# Altium PCB BGA_faser_v2.PcbDoc (part 1 of 5) (continued)
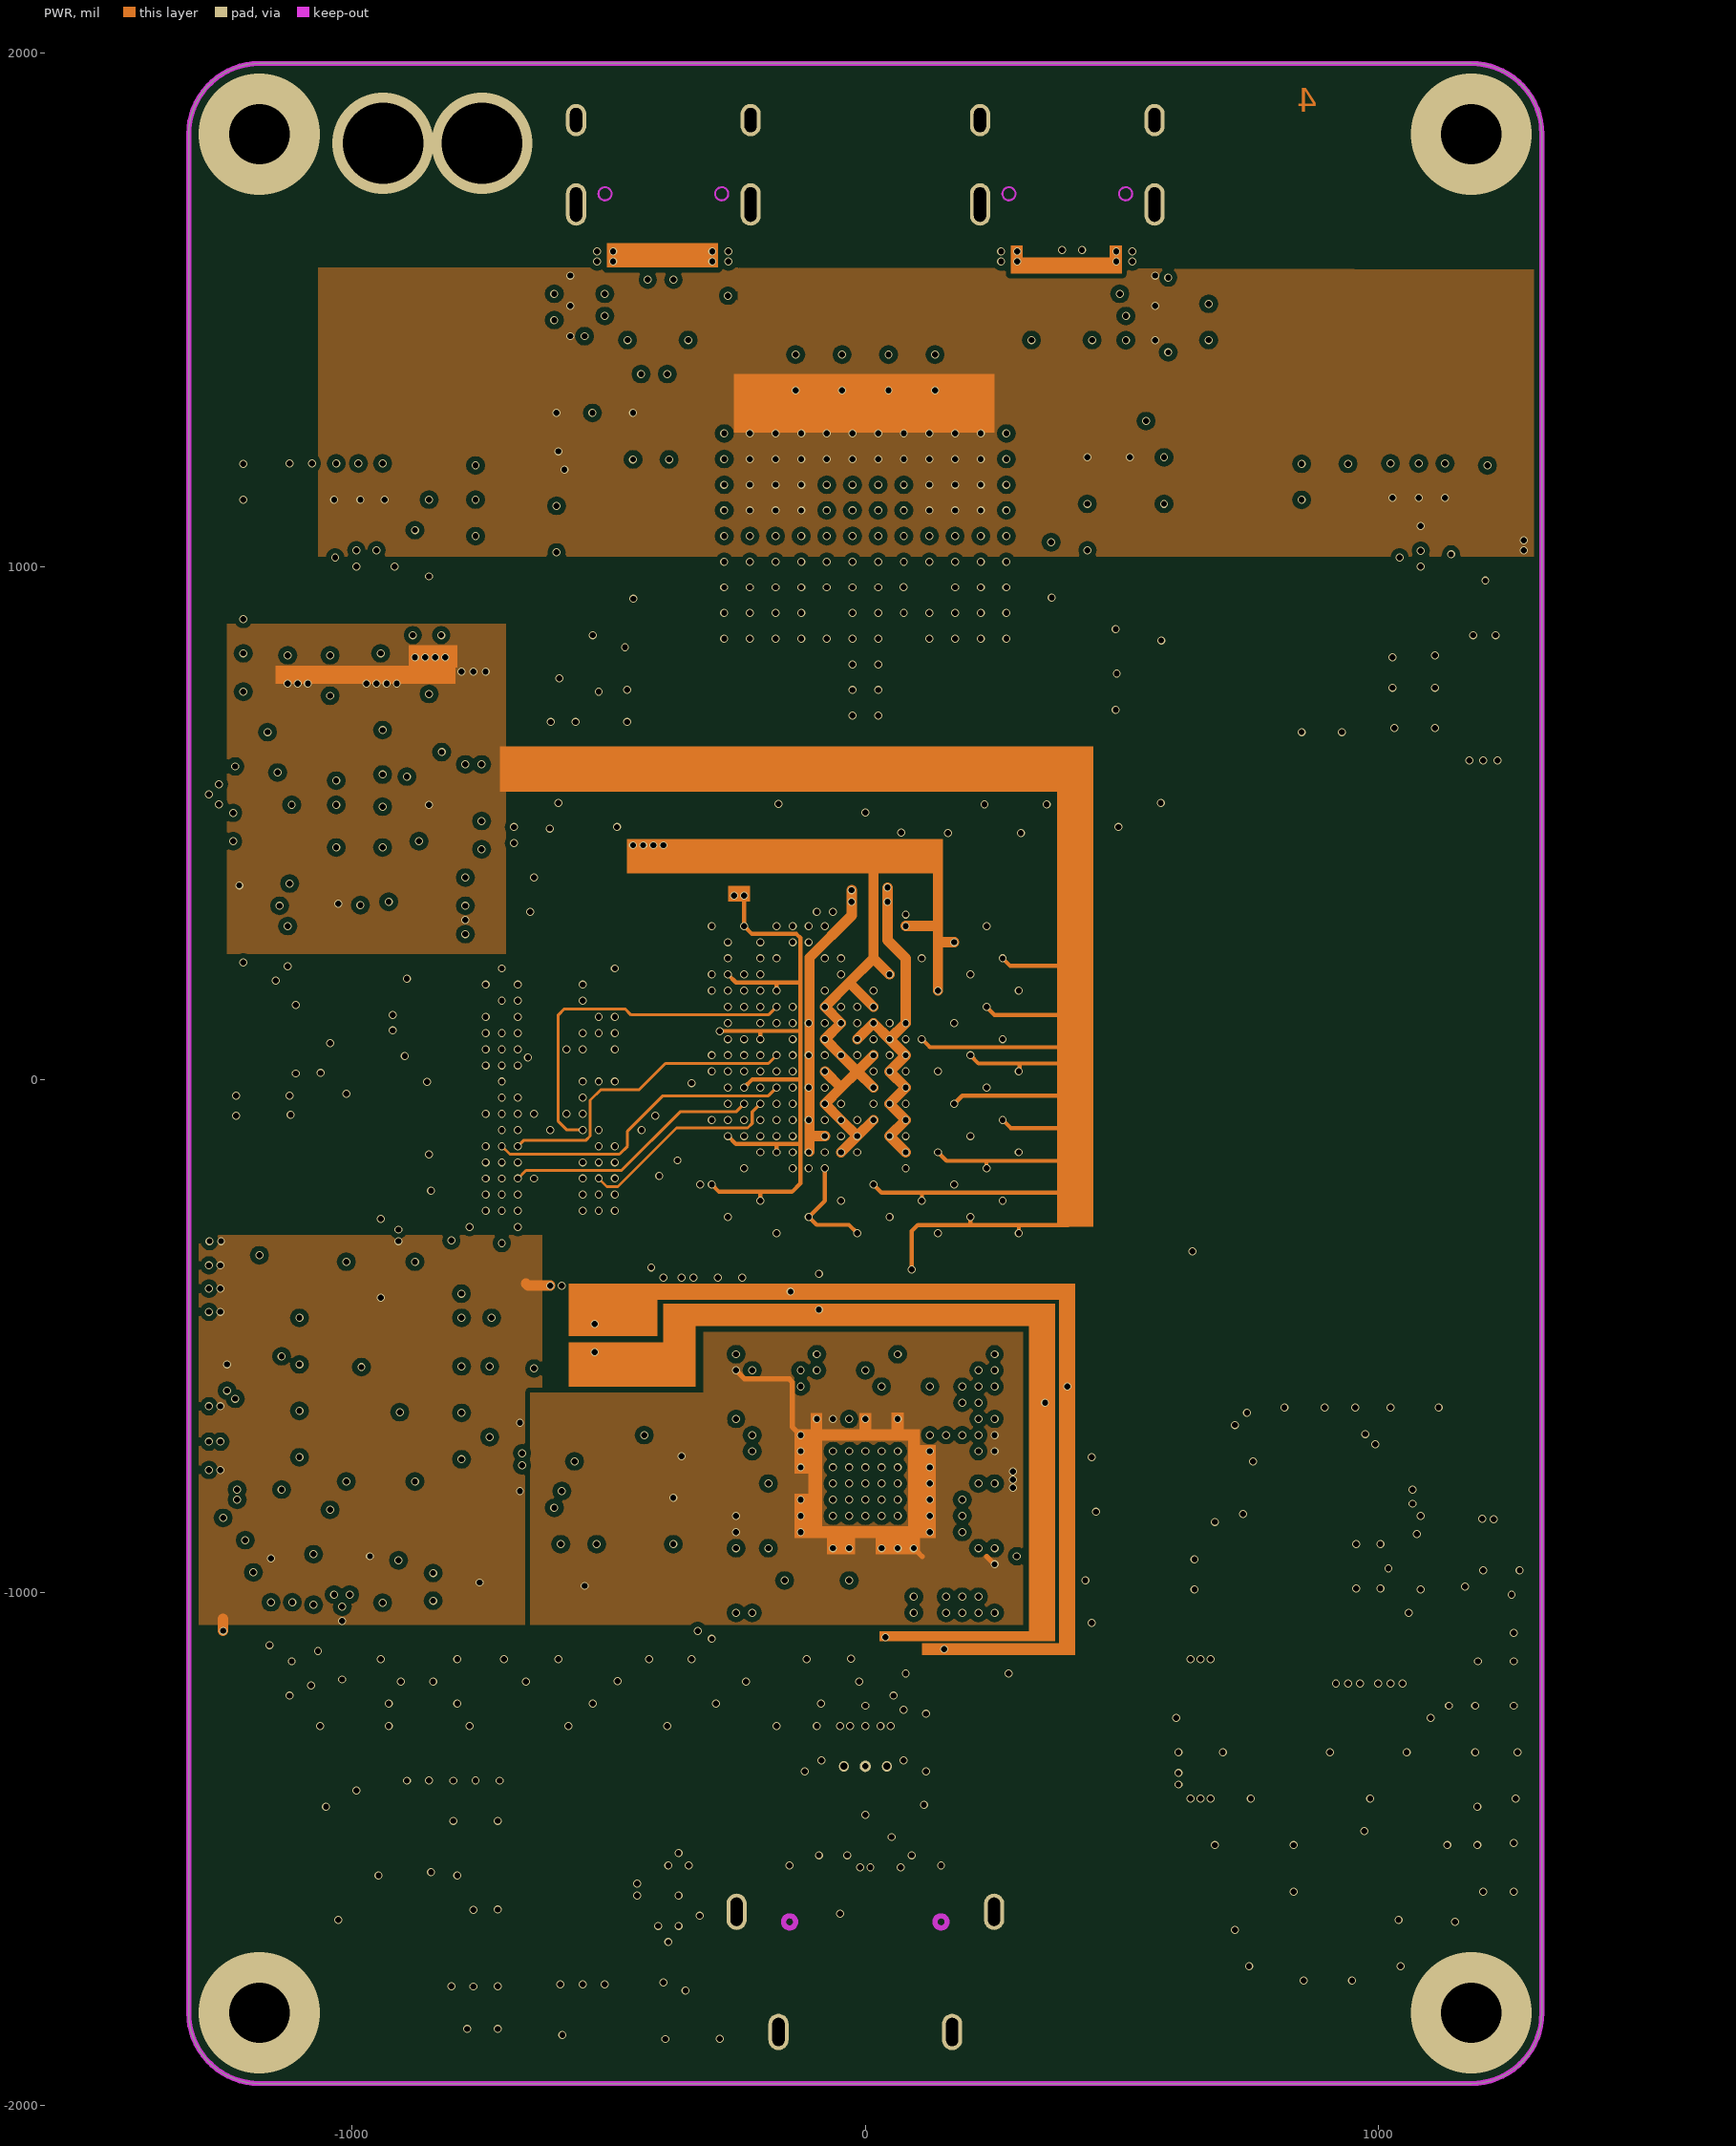
[diagram p4: PWR]
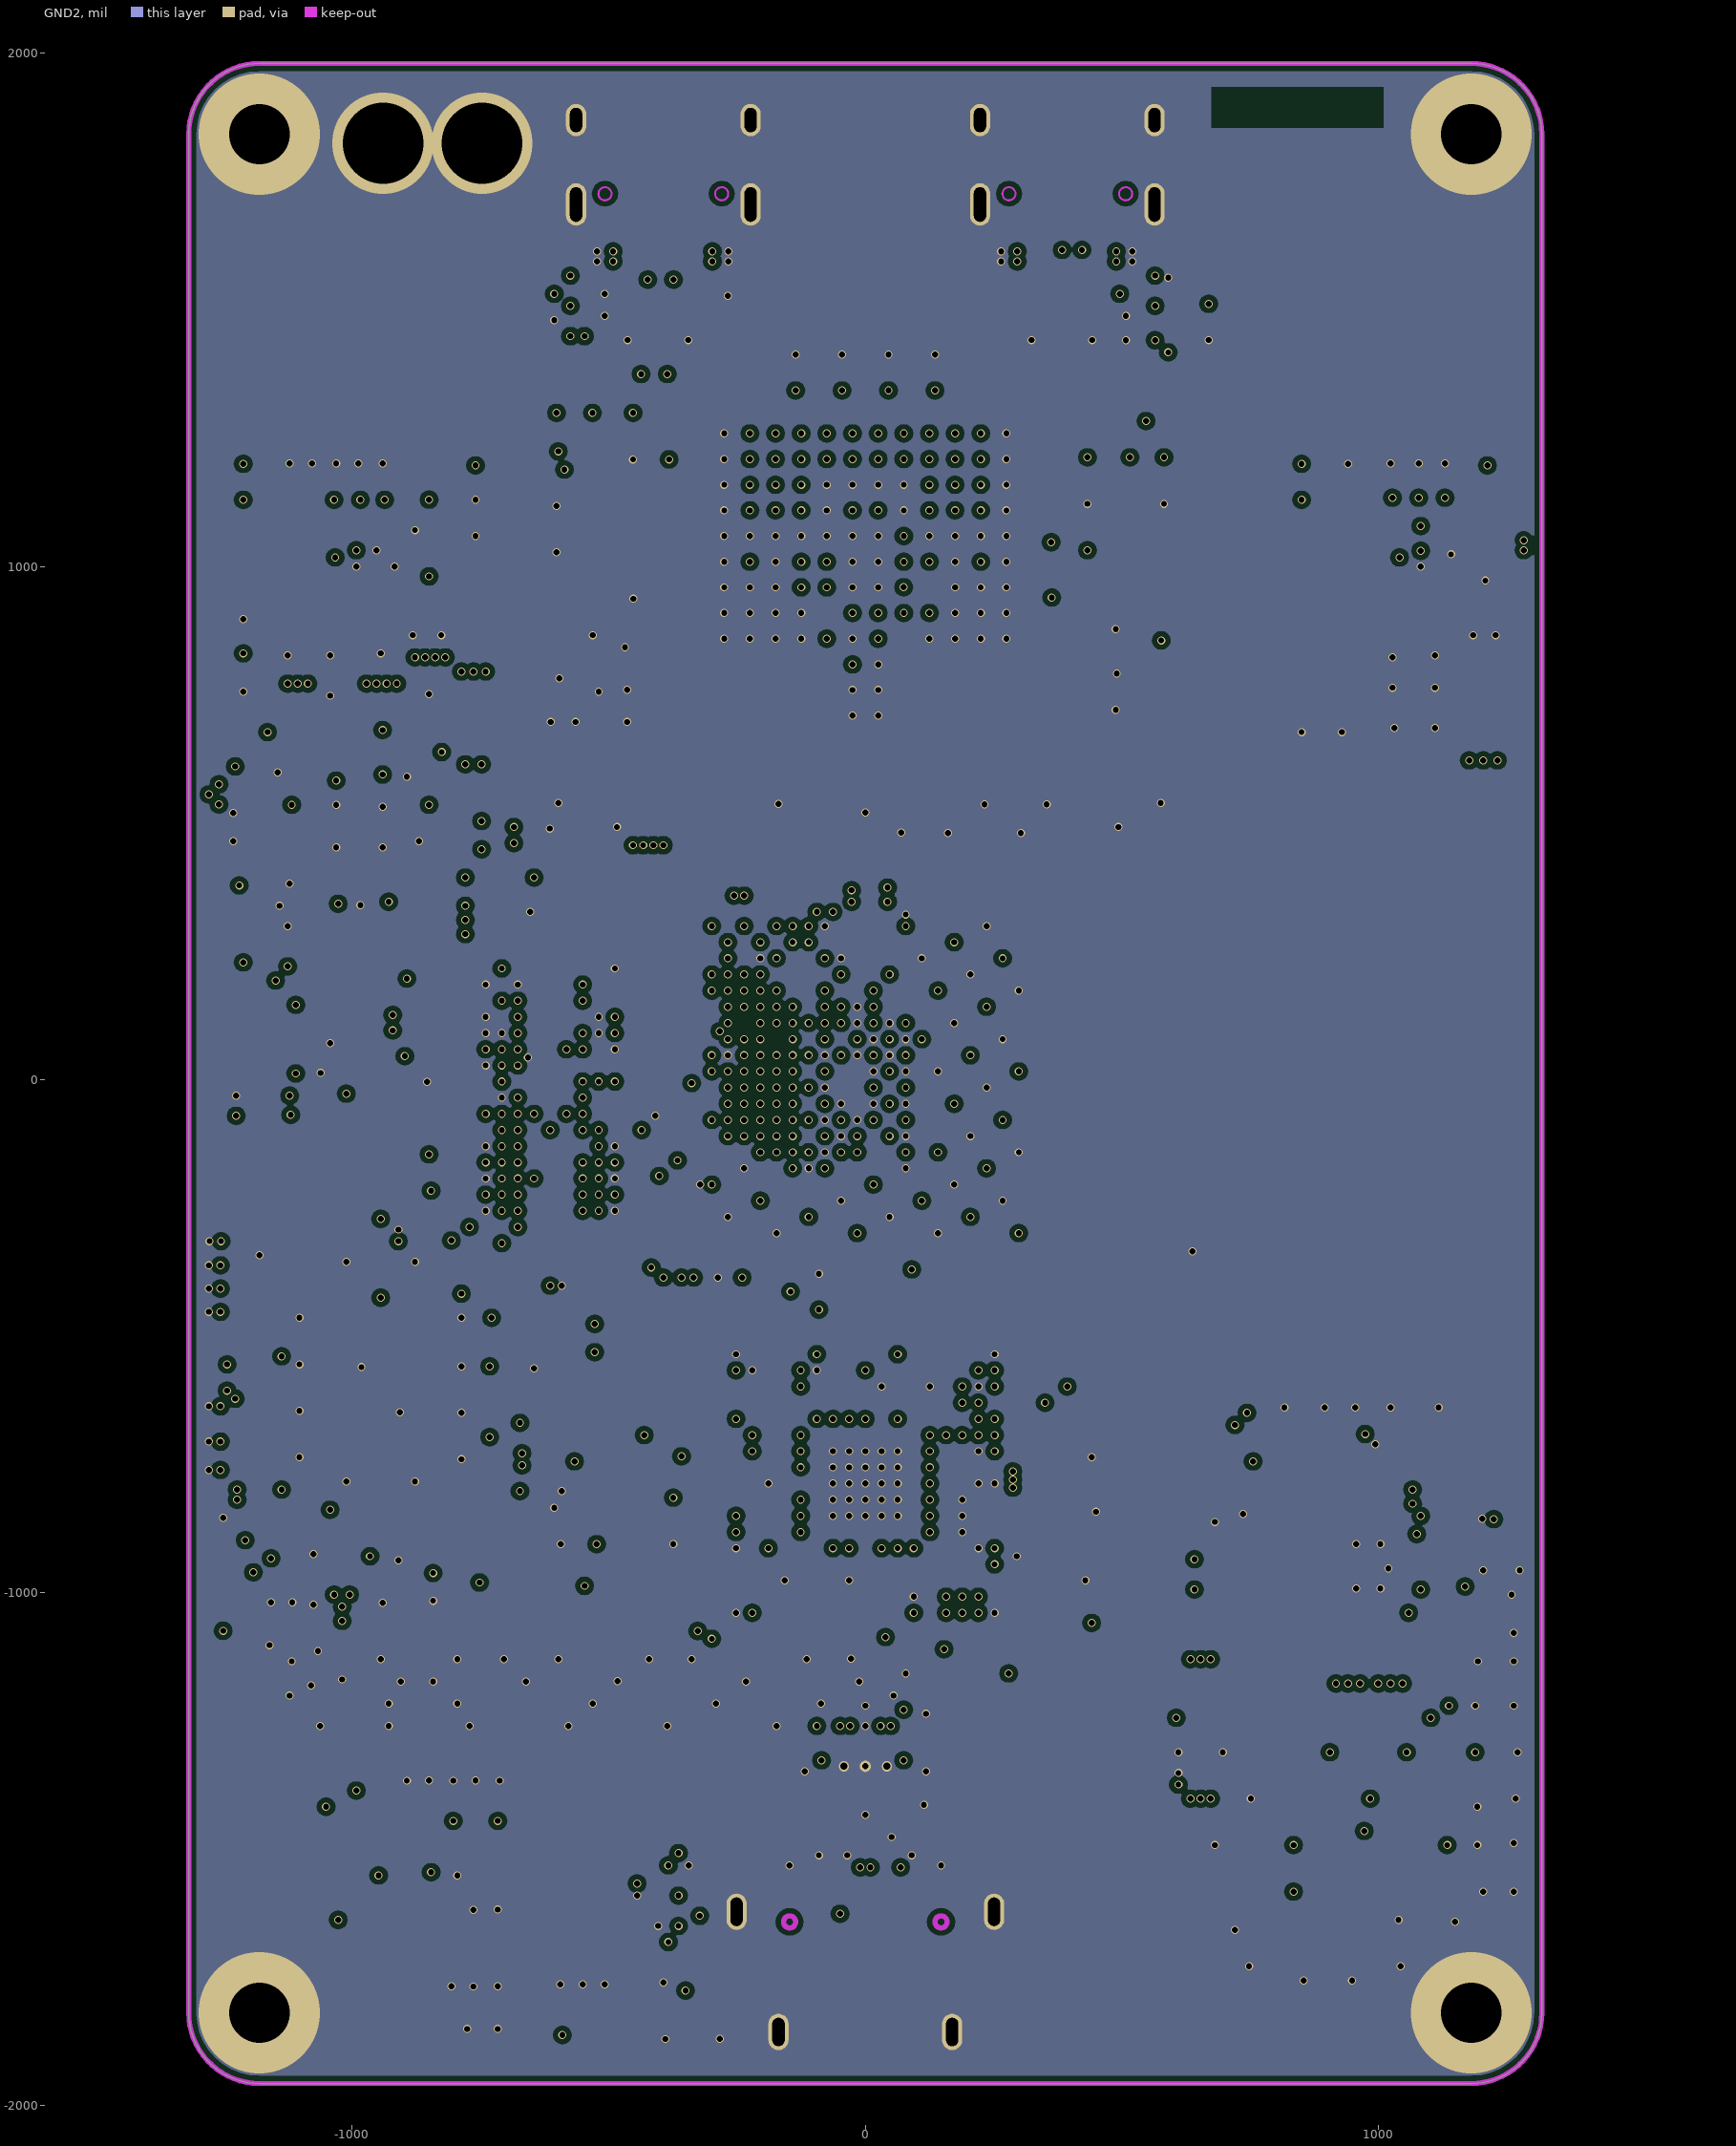
[diagram p5: GND2]
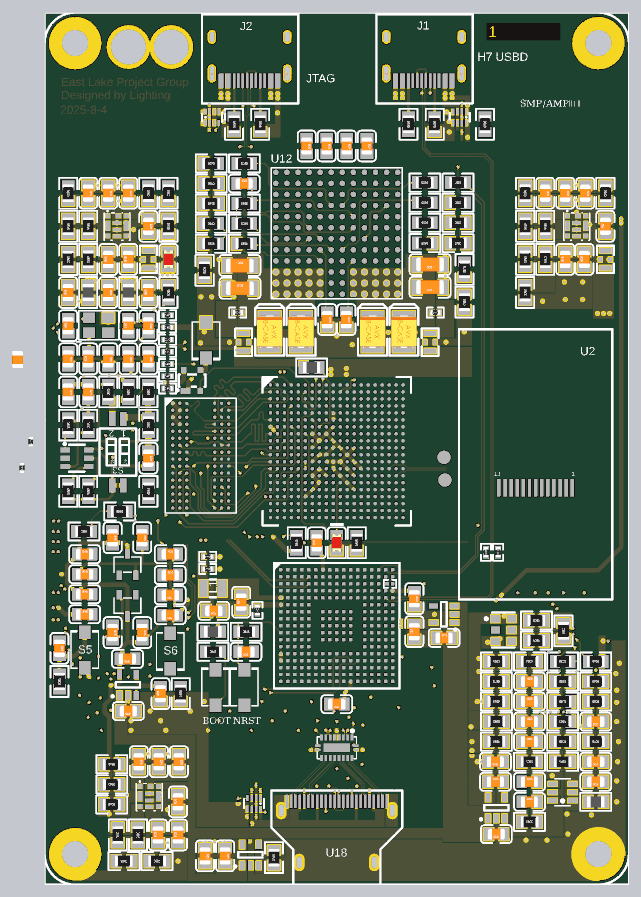
[diagram p10: 3D render of the assembled board from above, using the file's embedded part models]

## Layer stack, top to bottom
Top Solder: solder mask 0.4, Solder Resist, Dk 3.5
Top Layer: signal copper 1.4
Dielectric 2: prepreg 2.8, PP-006, Dk 4.1
GND1: signal copper 1.378
Dielectric 4: prepreg 2.8, PP-006, Dk 4.1
Layer 3: signal copper 1.378
Dielectric 1: dielectric 12.6, FR-4, Dk 4.8
PWR: signal copper 1.378
Dielectric 5: prepreg 2.8, PP-006, Dk 4.1
GND2: signal copper 1.378
Dielectric 3: prepreg 2.8, PP-006, Dk 4.1
Bottom Layer: signal copper 1.4
Bottom Solder: solder mask 0.4, Solder Resist, Dk 3.5

## Board outline
-1318.9,-1818.9 -1318.9,1842.52 cw(c-1181.1,1842.52) -1181.1,1980.31 1181.1,1980.31 cw(c1181.1,1842.52) 1318.9,1842.52 1318.9,-1818.9 cw(c1181.1,-1818.9) 1181.1,-1956.69 -1181.1,-1956.69 cw(c-1181.1,-1818.9)

## Design rules (kind name [scope] priority, off if disabled: settings)
Clearance PolygonClearance_10mil [InPolygon] p1: gap=10 ignorepadtopadclearanceinfootprint=FALSE
Clearance [All] p2: gap=3.5 ignorepadtopadclearanceinfootprint=FALSE
DiffPairsRouting [All] p1: maxlimit=10 minlimit=3.5 mostfreqgap=6 toplayer_minwidth=3.5 toplayer_maxwidth=100 toplayer_prefwidth=4.29 midlayer1_minwidth=3.5 midlayer1_maxwidth=100 midlayer1_prefwidth=4.29 midlayer2_minwidth=3.5 midlayer2_maxwidth=100 midlayer2_prefwidth=4.29 midlayer3_minwidth=3.5 midlayer3_maxwidth=100 midlayer3_prefwidth=4.29 midlayer4_minwidth=3.5 midlayer4_maxwidth=100 midlayer4_prefwidth=4.29 bottomlayer_minwidth=3.5 bottomlayer_maxwidth=100 bottomlayer_prefwidth=4.29 maxuncoupledlength=500
PlaneConnect [All] p1: planeconnectstyle=Direct reliefexpansion=20 reliefentries=4 reliefconductorwidth=10 reliefairgap=10
PolygonConnect [All] p1: connectstyle=Direct reliefconductorwidth=10 reliefentries=4 polygonreliefangle="90 Angle" airgapwidth=10
RoutingVias [All] p1: holewidth=11.81 width=17.72 viastyle="Through Hole" minholewidth=11.81 minwidth=15.75 maxholewidth=3937.01 maxwidth=3937.01
SilkToSilkClearance [All] p1 off: silktosilkclearance=10
SilkToSolderMaskClearance [IsPad] p1 off: minsilkscreentomaskgap=10 clearancetoexposedcopper=TRUE
SolderMaskExpansion [All] p1 off: expansion=4
Width 中间层POWER [InNetClass('POWER') And OnLayer('PWR')] p1: maxlimit=1000 minlimit=6 preferedwidth=0.0001m
Width 表层POWER [InNetClass('POWER') And OnLayer('Top Layer')] p2: maxlimit=1000 minlimit=3.5 preferedwidth=0.0001mi
Width 顶层五十欧姆单端 [OnLayer('Top Layer')] p3: maxlimit=1000 minlimit=3.5 preferedwidth=0.
Width 底层五十欧姆单端 [OnLayer('Bottom Layer')] p4: maxlimit=1000 minlimit=3.5 preferedwidth=0.
Width 第三层五十欧姆 [OnLayer('Layer 3')] p5: maxlimit=100 minlimit=3.5
Width 电源层五十欧姆单端补充 [OnLayer('PWR')] p6: maxlimit=100 minlimit=3.5
26 further rules are at their usual default settings.

## Classes and differential pairs
component class Risc_V: C153 C154 C155 C156 C157 C158 C159 C160 C161 C162 C163 C164 C165 C166 C167 C168 C169 C170 C171 C172 C173 C174 C175 C176 C177 C178 C179 C180 C181 C182 C183 C184 C185 C186 C187 C188 C189 C190 R109 R110 R111 R112 R113 S5 S6 TP16 TP17 U18 U19 U20 U21 U22 U23 VR1 VR2
component class AD9156: C129 C130 C131 C132 C133 C134 C135 C136 C137 C138 C139 C140 C141 C142 C143 C144 C145 C146 C147 C148 C149 C150 C151 C152 L6 R88 R89 R90 R91 R92 R93 R94 R95 R96 R97 R98 R99 R100 R101 R102 R103 R104 R105 R106 R107 R108 U16 U17 VCO1 X2
net class DDR_ADDR: DDR_A0 DDR_A1 DDR_A2 DDR_A3 DDR_A4 DDR_A5 DDR_A6 DDR_A7 DDR_A8 DDR_A9 DDR_A10 DDR_A11 DDR_A12 DDR_A13 DDR_A14 DDR_BA0 DDR_BA1 DDR_BA2 DDR_CAS DDR_CKE DDR_RAS DDR_WE
net class DDR_DATA1: DDR_DM1 DDR_DQ8 DDR_DQ9 DDR_DQ10 DDR_DQ11 DDR_DQ12 DDR_DQ13 DDR_DQ14 DDR_DQ15 DDR_DQS1_n DDR_DQS1_p
net class DDR_DATA0: DDR_DM0 DDR_DQ0 DDR_DQ1 DDR_DQ2 DDR_DQ3 DDR_DQ4 DDR_DQ5 DDR_DQ6 DDR_DQ7 DDR_DQS0_n DDR_DQS0_p
net class POWER: GND IF_1V2 IF_1V8 IF_3V3 VCC VCC_1V0 VCC_1V5 VCC_1V8 VCC_3V3
component class jtag: C83 C84 C85 C86 C87 C88 C89 C90 C91 C92 C93 C94 C95 D2 FB3 FB4 J2 R29 R30 R31 R32 R33 R34 R35 R36 R37 R38 R39 R40 R41 R42 R43 R44 R45 R46 R47 R48 R49 U9 U10 U11 X1
component class zynq: C26 C27 C28 C29 C30 C31 C32 C33 C34 C35 C36 C37 C38 C39 C40 C41 C42 C43 C44 C45 C46 C47 C48 C49 C50 C51 C52 C53 C54 C55 C56 C57 C58 C59 C60 C61 C62 C63 C64 C65 C66 C67 C68 C69 C70 C71 C72 C73 C74 C75 C76 C77 C79 C80 C81 C82 D1 FB2 R12 R13 R14 R15 R16 R17 R18 R19 R20 R21 R22 R23 R24 R25 R26 R27 R28 S3 S4 TP3 TP4 TP5 U5 U6 U7 U8
component class power: C96 C97 C98 C99 C100 C101 C102 C103 C104 C105 C106 C107 C108 C109 C110 C111 C112 C113 C114 C115 C116 C117 C118 C119 C120 C121 C122 C123 C124 C125 C126 C127 C128 L2 L3 L4 L5 R50 R51 R52 R53 R54 R55 R56 R57 R58 R59 R60 R61 R62 R63 R64 R65 R66 R67 R68 R69 R70 R71 R72 R73 R74 R75 R76 R77 R78 R79 R80 R81 R82 R83 R84 R85 R86 R87 TP6 TP7 TP8 TP9 TP10 TP11 TP12 TP13 TP14 TP15 U12 U13 U14 U15
component class Cortex_M: C1 C2 C3 C4 C5 C6 C7 C8 C9 C10 C11 C12 C13 C14 C15 C16 C17 C18 C19 C20 C21 C22 C23 C24 C25 FB1 J1 L1 R1 R2 R3 R4 R5 R6 R7 R8 R9 R10 R11 S1 S2 TP1 TP2 U1 U2 U3 U4
differential pair EXT_CLK: +EXT_CLK_p -EXT_CLK_n
differential pair PLCLK: +PLCLK_p -PLCLK_n
differential pair USBSS_T: +USBSS_T_p -USBSS_T_n
differential pair USBSS_R: +USBSS_R_p -USBSS_R_n
differential pair SSB1: +SSB1_p -SSB1_n
differential pair SSB0: +SSB0_p -SSB0_n
differential pair SSA1: +SSA1_p -SSA1_n
differential pair SSA0: +SSA0_p -SSA0_n
differential pair USBD: +USBD_p -USBD_n
differential pair REFC: +REFC_p -REFC_n
differential pair REF_IN: +REF_IN_p -REF_IN_n
differential pair OUT9: +OUT9_p -OUT9_n
differential pair OUT8: +OUT8_p -OUT8_n
differential pair OUT7: +OUT7_p -OUT7_n
differential pair OUT6: +OUT6_p -OUT6_n
differential pair OUT5: +OUT5_p -OUT5_n
differential pair DDR_DQS1: +DDR_DQS1_p -DDR_DQS1_n
differential pair DDR_DQS0: +DDR_DQS0_p -DDR_DQS0_n
differential pair DDR_CK: +DDR_CK_p -DDR_CK_n
differential pair D: +D_p -D_n
differential pair U1D: +U1D_p -U1D_n
differential pair USB_FS: +USB_FS_p -USB_FS_n

## Components (designator, comment, footprint, x,y, rotation, side; value= is the part's Value field where it differs from the comment)
C1 "100nF" 0201#1 -103.55,-850.39 r180 bottom
C2 "100nF" 0201#1 -103.55,-724.41 r180 bottom
C3 "100nF" 0201#1 -62.99,-890.94 r270 bottom
C4 "100nF" 0201#1 62.99,-890.94 r270 bottom
C5 "100nF" 0201#1 103.54,-850.39 r0 bottom
C6 "100nF" 0201#1 103.54,-787.4 r0 bottom
C7 "100nF" 0201#1 103.54,-724.41 r0 bottom
C8 "100nF" 0201#1 229.53,-724.41 r0 bottom
C9 "100nF" 0201#1 62.99,-683.85 r90 bottom
C10 "100nF" 0201#1 0,-683.85 r90 bottom
C11 "100nF" 0201#1 -94.49,-683.85 r90 bottom
C12 "100nF" 0201#1 -251.97,-544.49 r270 bottom
C13 "100nF" 0201#1 274.41,-944.88 r180 bottom
C14 "100nF" 0805_C -409.45,-905.51 r180 top
C15 "1uF" 0805_C 484.65,-842.52 r0 top
C16 "1uF" 0805_C 350.39,-814.57 r90 top
C17 "220pF" 0805_C -431.1,-681.1 r90 top
C18 "10uF" 0805_C -555.12,-720.47 r180 top
C19 "100nF" 0201#1 94.49,-1039.37 r90 bottom
C20 "100nF" 0201#1 -94.49,-535.43 r270 bottom
C21 "100nF" 0201#1 251.97,-598.43 r180 top
C22 "100nF" 0201#1 274.41,-913.38 r180 bottom
C23 "2.2uF" 0805_C 0,-1141.73 r180 top
C24 "2.2uF" 0805_C 350.39,-665.35 r270 top
C25 "2.2uF" 0805_C -90.55,-413.39 r90 top
C26 "100nF" 0201#1 6.69,78.74 r180 bottom
C27 "100nF" 0201#1 56.3,110.24 r0 bottom
C28 "100nF" 0201#1 69.69,15.75 r180 bottom
C29 "100nF" 0201#1 -87.8,47.24 r180 bottom
C30 "100nF" 0201#1 69.69,-47.24 r180 bottom locked
C31 "100nF" 0201#1 69.69,-110.24 r180 bottom
C32 "100nF" 0201#1 -87.8,-141.74 r180 bottom locked
C33 "100nF" 0201#1 -101.18,-110.24 r0 bottom
C34 "100nF" 0201#2 -87.8,-15.75 r180 bottom
C35 "100nF" 0201#1 -87.8,-78.74 r180 bottom
C36 "100nF" 0201#1 -47.25,-119.29 r270 bottom
C37 "100nF" 0201#1 -15.75,-87.79 r270 bottom
C38 "100nF" 0201#1 -47.25,-56.29 r270 bottom
C39 "100nF" 0201#1 15.75,-56.29 r270 bottom
C40 "100nF" 0201#1 15.75,6.7 r270 bottom
C41 "100nF" 0201#1 -101.18,-47.25 r0 bottom locked
C42 "100nF" 0201#1 38.19,47.24 r180 bottom
C43 "100nF" 0201#1 -6.69,141.73 r0 bottom
C44 "100nF" 0201#1 157.36,251.85 r45 bottom
C45 "100nF" 0201#3 157.6,157.36 r135 bottom
C46 "100nF" 0201#1 -101.18,78.74 r0 bottom
C47 "100nF" 0201#1 -24.81,47.24 r180 bottom
C48 "100nF" 0201#1 -24.81,110.23 r180 bottom
C49 "100nF" 0201#1 78.74,321.65 r270 bottom
C50 "100nF" 0201#1 63.11,220.59 r225 bottom locked
C51 "100nF" 0805_C -1440.94,413.39 r270 bottom
C52 "100nF" 0201#1 251.85,220.35 r45 bottom
C53 "100nF" 0201#1 220.35,125.86 r45 bottom
C54 "100nF" 0201#1 188.86,31.38 r45 bottom
C55 "100nF" 0201#1 157.36,-63.11 r45 bottom
C56 "100nF" 0201#1 125.86,-157.6 r45 bottom
C57 "100nF" 0201#1 220.35,-189.1 r45 bottom
C58 "100nF" 0201#1 94.37,-252.09 r45 bottom
C59 "100nF" 0201#1 188.86,-283.58 r45 bottom
C60 "100nF" 0201#1 -0.12,-220.59 r45 bottom
C61 "100nF" 0201#1 0.12,-283.34 r225 bottom
C62 "100nF" 0201#1 -94.37,-251.85 r225 bottom locked
C63 "100nF" 0201#1 283.34,-283.34 r315 bottom
C64 "100nF" 0201#1 87.8,78.74 r0 bottom
C65 "100nF" 0201#1 -101.18,-173.23 r0 bottom locked
C66 "100nF" 0201#3 -157.6,-62.87 r315 bottom locked
C67 "100nF" 0201#3 -157.6,283.58 r315 bottom locked
C68 "100nF" 0201#1 1588.6,-262.35 r90 top
C69 "100nF" 0201#1 -164.17,15.75 r0 bottom locked
C70 "100nF" 0201#1 251.85,-94.61 r45 bottom
C71 "100nF" 0201#1 283.34,-0.12 r45 bottom
C72 "100nF" 0201#1 -321.65,-204.72 r0 bottom locked
C73 "100nF" 0201#3 -188.86,-252.09 r135 bottom
C74 "100nF" 0201#1 1401.57,-244.09 r135 bottom
C75 "100nF" 0201#3 -283.58,-126.1 r45 bottom
C76 "100nF" 0201#3 -188.86,62.87 r135 bottom locked
C77 "100nF" 0201#1 -157.36,189.1 r225 bottom
C79 "100nF" 0201#3 -220.35,283.34 r135 bottom
C80 "100nF" 0201#1 -1283.46,110.24 r0 bottom
C81 "100nF" 0201#3 -251.85,220.59 r225 bottom locked
C82 "100nF" 0805_C -850.39,-31.5 r270 top
C83 "100nF" 0805_C -1212.6,417.32 r270 top
C84 "100nF" 0805_C -1031.5,417.32 r270 top
C85 "100nF" 0805_C -850.39,566.93 r270 top locked
C86 "100nF" 0805_C -1122.05,267.72 r270 top
C87 "100nF" 0805_C -850.39,417.32 r270 top locked
C88 "100nF" 0805_C -1212.6,716.54 r90 top
C89 "100nF" 0805_C -850.39,716.54 r90 top
C90 "100nF" 0805_C -1212.6,566.93 r90 top
C91 "100nF" 0805_C -940.94,566.93 r90 top locked
C92 "100nF" 0805_C -940.94,417.32 r270 top
C93 "4.7uF" 0805_C -1212.6,267.72 r270 top
C94 "12pF (120) 5% 50V" 0805_C -1122.05,417.32 r90 top
C95 "12pF (120) 5% 50V" 0805_C -1031.5,716.54 r270 top
C96 "100nF" 0805_C 43.31,594.49 r270 top
C97 "100uF" 1206_C 421.26,842.52 r180 top
C98 "100uF" CASE-B_3528 303.15,539.37 r90 top
C99 "22uF" 0805_C -135.83,1377.95 r270 top
C100 "22uF" 0805_C -45.28,1377.95 r270 top
C101 "22uF" 0805_C 45.28,1377.95 r270 top
C102 "22uF" 0805_C 135.83,1377.95 r270 top
C103 "100uF" 1206_C 421.26,740.16 r180 top
C104 "100uF" CASE-B_3528 161.42,539.37 r90 top
C105 "10uF" 0805_C -712.6,-1401.57 r270 top locked
C106 "10uF" 0805_C -803.15,-1401.57 r270 top locked
C107 "22uF" 0805_C -807.09,-1732.28 r90 top locked
C108 "22uF" 0805_C -716.54,-1732.28 r90 top locked
C109 "100pF" 0805_C -716.54,-1582.68 r90 top locked
C110 "3.3nF" 0805_C -893.7,-1401.57 r270 top locked
C111 "100nF" 0805_C -43.31,594.49 r270 top
C112 "100uF" 1206_C -436.61,736.22 r0 top
C113 "100uF" CASE-B_3528 -303.15,539.37 r90 top
C114 "100uF" 1206_C -437.4,838.58 r0 top
C115 "100uF" CASE-B_3528 -161.42,539.37 r90 top
C116 "4.7uF" 0805_C -417.72,1208.66 r0 top
C117 "10uF" 0805_C 1031.5,1164.96 r270 top
C118 "10uF" 0805_C 1122.05,1164.96 r270 top
C119 "22uF (226) 20% 25V" 0805_C 1118.11,866.14 r90 top
C120 "22uF (226) 20% 25V" 0805_C 1031.5,866.14 r90 top
C121 "100pF" 0805_C 1212.6,1015.75 r90 top
C122 "3.3nF" 0805_C 940.94,1164.96 r270 top
C123 "10uF" 0805_C -1031.5,1165.35 r270 top
C124 "10uF" 0805_C -940.94,1165.35 r270 top
C125 "22uF" 0805_C -1031.5,865.75 r90 top
C126 "22uF" 0805_C -940.94,866.14 r90 top
C127 "100pF" 0805_C -850.39,1015.75 r270 top
C128 "3.3nF" 0805_C -1122.05,1165.35 r270 top
C129 "100nF" 0201#1 895.67,-638.98 r270 bottom locked
C130 "100nF" 0201#1 610.24,-1351.57 r270 bottom
C131 "100nF" 0201#1 816.93,-661.42 r90 bottom locked
C132 "100nF" 0201#1 1202.64,-856.3 r0 bottom
C133 "100nF" 0201#1 624.8,-935.04 r180 bottom locked
C134 "220nF" 0805_C 1169.29,-1220.47 r180 top
C135 "100nF" 0201#1 816.93,-1259.84 r90 bottom locked
C136 "100nF" 0201#1 954.72,-638.98 r270 bottom locked
C137 "100nF" 0201#1 1023.62,-661.42 r90 bottom locked
C138 "100nF" 0201#1 895.67,-1259.84 r90 bottom locked
C139 "100nF" 0201#1 602.36,-994.09 r0 bottom locked
C140 "100nF" 0201#1 1117.52,-661.42 r90 bottom locked
C141 "1uF" 0805_C 720.47,-1728.35 r180 top locked
C142 "2.2uF" 0805_C 716.54,-1401.57 r180 top locked
C143 "100nF" 0201#1 1259.84,-1003.94 r180 bottom locked
C144 "470pF" 0805_C 716.54,-1492.13 r0 top
C145 "1uF" 0805_C 870.08,-1039.37 r0 top
C146 "68nF" 0805_C 870.08,-1129.92 r0 top
C147 "47nF" 0805_C 870.08,-1220.47 r0 top
C148 "NC" 0805_C 870.08,-1311.02 r0 top
C149 "100nF" 0805_C 870.08,-1582.68 r0 top
C150 "100nF" 0805_C 1169.29,-1492.13 r180 top
C151 "100nF" 0805_C 870.08,-1492.13 r0 top
C152 "220nF" 0805_C 1169.29,-1401.57 r180 top
C153 "100nF" 0805_C -1251.97,-889.76 r270 top locked
C154 "100nF" 0201#1 66.93,-1326.77 r180 bottom
C155 "100nF" 0201#1 -1158.46,-984.25 r90 bottom locked
C156 "100nF" 0201#1 -614.17,-802.17 r0 bottom locked
C157 "100nF" 0201#1 -1279.53,-407.48 r0 bottom locked
C158 "100nF" 0201#1 -1257.09,-362.2 r180 bottom
C159 "100nF" 0201#1 -1257.09,-760.83 r180 bottom locked
C160 "100nF" 0201#1 -1279.53,-636.81 r0 bottom locked
C161 "100nF" 0201#1 -1257.09,-452.76 r180 bottom locked
C162 "100nF" 0201#1 -965.55,-984.25 r90 bottom locked
C163 "100nF" 0201#1 -614.17,-677.17 r0 bottom locked
C164 "100nF" 0201#1 -1255.91,-314.96 r180 bottom
C165 "100nF" 0201#1 -910.43,-292.52 r270 bottom locked
C166 "100nF" 0201#1 -591.73,-401.57 r180 bottom locked
C167 "100nF" 0201#1 -62.99,-1326.77 r180 bottom
C168 "4.7uF" 0805_C -751.97,-740.16 r180 top
C169 "4.7uF" 0805_C -1138.19,-464.57 r0 top
C170 "4.7uF" 0805_C -1138.19,-645.67 r0 top
C171 "4.7uF" 0805_C -1138.19,-555.12 r0 top locked
C172 "4.7uF" 0805_C -751.97,-464.57 r0 top locked
C173 "4.7uF" 0805_C -751.97,-649.61 r180 top
C174 "4.7uF" 0805_C -1138.19,-736.22 r0 top
C175 "4.7uF" 0805_C -751.97,-559.06 r0 top locked
C176 "10uF" 0805_C -594.49,-1826.77 r270 top locked
C177 "10u" 0805_C -503.94,-1826.77 r270 top locked
C178 "1uF" 0805_C -940.94,-1173.23 r180 top locked
C179 "2.2uF" 0805_C -944.88,-937.01 r180 top locked
C180 "1.0uF" 0805_C -877.95,-818.5 r270 top
C181 "1.0uF" 0805_C -877.95,-390.16 r270 top
C182 "1.0uF" 0805_C -1011.81,-390.16 r270 top locked
C183 "1.0uF" 0805_C -1011.81,-818.5 r270 top locked
C184 "100nF" 0201#1 -807.09,-291.34 r270 bottom
C185 "100nF" 0201#1 -842.52,-984.25 r90 bottom locked
C186 "100nF" 0201#1 -614.17,-636.81 r0 bottom locked
C187 "100nF" 0201#1 -591.73,-594.49 r180 bottom locked
C188 "100nF" 0201#1 -1279.53,-705.71 r0 bottom locked
C189 "100nF" 0201#1 -1117.13,-984.25 r90 bottom locked
C190 "470pF" 0805_C -795.28,-1094.09 r90 top
D1 "红灯 0805" 0805_LED_S1 0,-413.39 r270 top
D2 "翠绿 0805" 0805_LED_S1 -759.84,866.14 r270 top
FB1 "100Ω ±25% 100MHz" 0805_L -559.06,-814.96 r180 top locked
FB2 "100Ω ±25% 100MHz" 0805_L -113.78,377.95 r180 top locked
FB3 "100Ω ±25% 100MHz" 0805_L -1122.05,716.54 r90 top
FB4 "100Ω ±25% 100MHz" 0805_L -940.94,716.54 r90 top
J1 "type C 16pin" "USB type C  16pin" 393.7,1771.65 r180 top locked
J2 "type C 16pin" "USB type C  16pin" -393.7,1771.65 r180 top locked
L1 "Inductor" IND-SMD_L2.5-W2.0_YXMBL252010P -559.06,-619.09 r0 top locked value=22uH
L2 "NFM21PC105B1C3D" FILTER-SMD_3P-L2.0-W1.2-L 421.26,492.13 r270 top
L3 "NFM21PC105B1C3D" FILTER-SMD_3P-L2.0-W1.2-L -420.47,492.13 r270 top
L4 "NFM21PC105B1C3D" FILTER-SMD_3P-L2.0-W1.2-L 1212.6,866.14 r270 top
L5 "NFM21PC105B1C3D" FILTER-SMD_3P-L2.0-W1.2-L -850.39,866.14 r270 top
L6 "Inductor" 0805_L 1169.29,-1582.68 r180 top value=22nH
R1 "10KΩ" 0805_R -409.45,-814.96 r0 top
R2 "10KΩ" 0805_R -558.66,-905.51 r0 top
R3 "33Ω" 0402_R 673.23,-455.71 r90 top
R4 "33Ω" 0402_R 728.35,-455.71 r90 top
R5 "5.1KΩ" 0805_R 441.93,1476.38 r270 top locked
R6 "5.1KΩ" 0805_R 323.82,1476.38 r270 top
R7 "10KΩ" 0805_R 547.24,1212.6 r0 top
R8 "10KΩ" 0805_R 669.29,1476.38 r90 top
R9 "0Ω" 0402_R -358.27,-717.52 r90 top
R10 "0Ω" 0402_R -582.68,-476.38 r180 top
R11 "NC" 0402_R -582.68,-531.5 r180 top
R12 "10KΩ" 0201#4 -141.73,78.74 r135 bottom locked
R13 "10KΩ" 0201#3 -157.6,-126.1 r45 bottom locked
R14 "33Ω" 0805_R -850.39,-181.1 r270 top
R15 "10KΩ" 0201#1 0.12,-157.6 r135 bottom
R16 "10KΩ" 0201#1 -141.73,-38.19 r90 bottom
R17 "1KΩ" 0805_R -850.39,267.72 r270 top locked
R18 "1KΩ" 0805_R -1031.5,267.72 r90 top
R19 "20KΩ" 0805_R -850.39,118.11 r90 top
R20 "20KΩ" 0805_R -940.94,267.72 r270 top
R21 "10KΩ" 0201#1 15.75,173.23 r45 bottom